# KiCad board MissionOrderFile.kicad_pcb (continued)
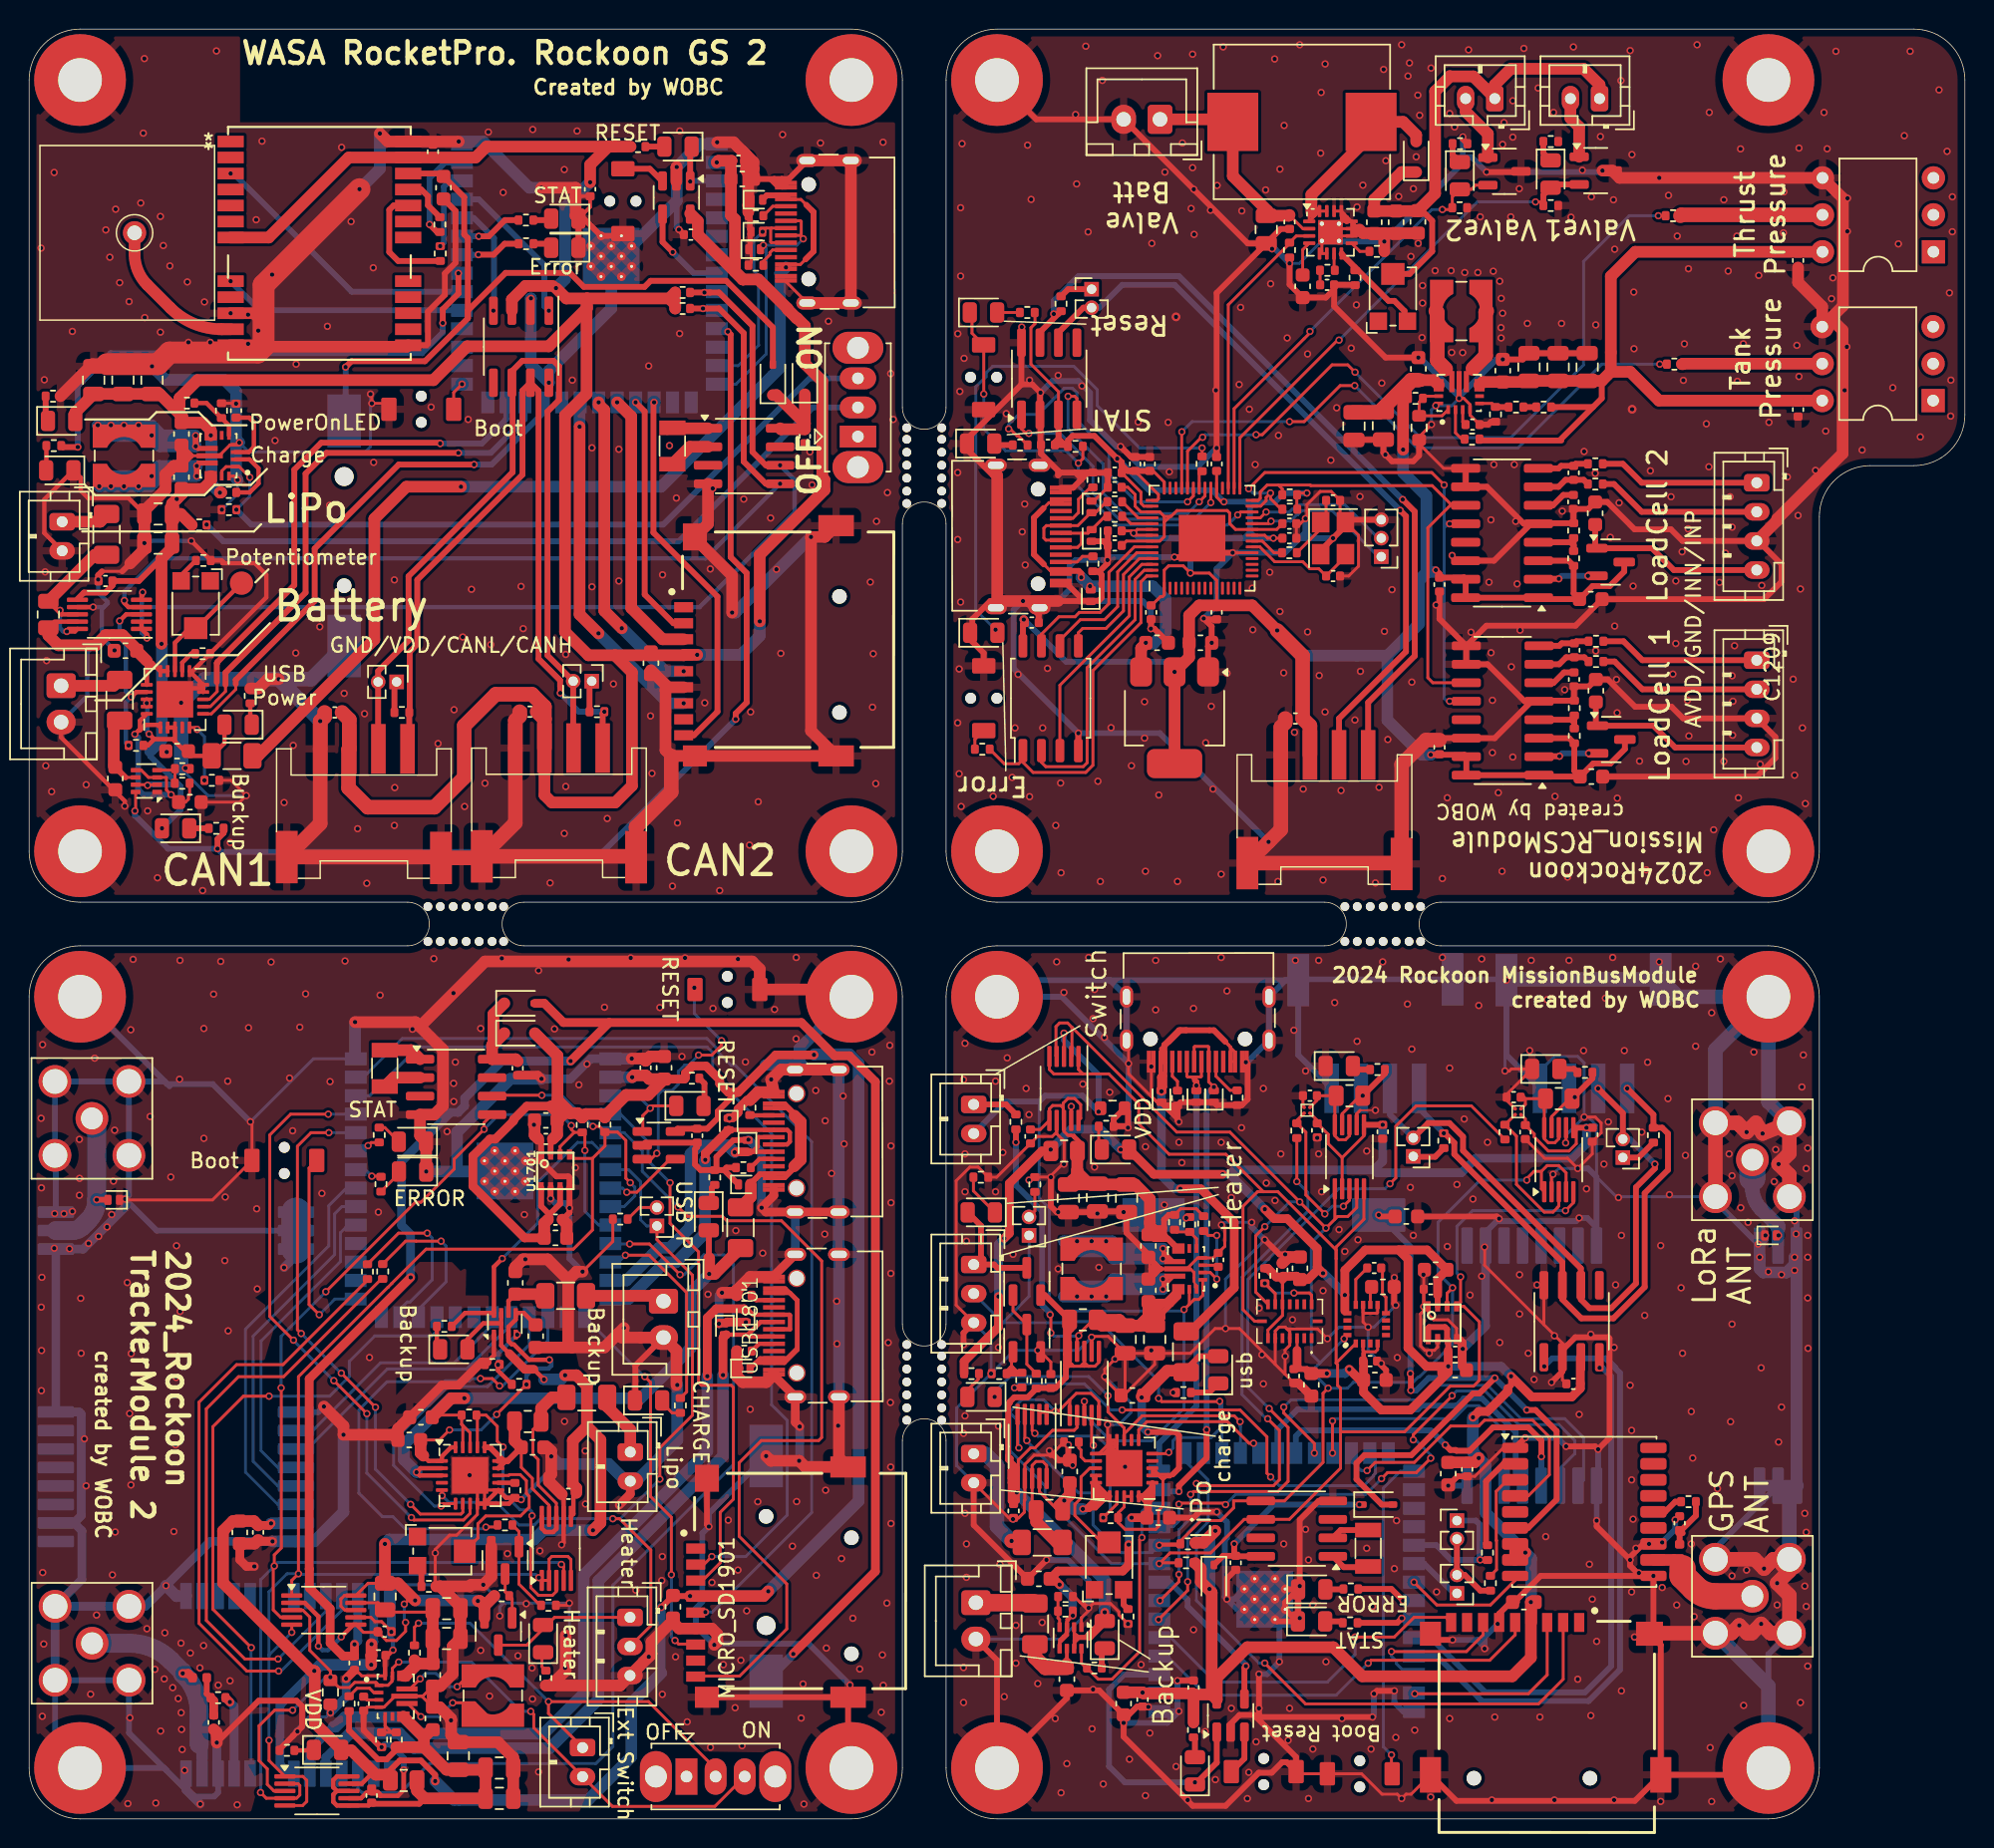
[diagram p0: board, top side]
## Routing (per net, layer and track width the routed paths; a pad name or vN(x,y) marks a point on that pad's centre or on a via; arc(x,y) is an arc through that point) (continued)
/RCS/IF/CANH: length 54.5
  Top w0.4: U901.7 69.45,102.17 70.89,103.62 R1001.2 70.71,103.42 v1(70.4,103.42) ; v1(94.37,90.67) 95.2,89.84 95.2,79.92 92,76.72 J1002.1
  Bottom w0.4: v1(94.37,90.67) 94.35,90.67 79,106.03 72.1,106.03 70.4,104.33 v1(70.4,103.42)
/RCS/IF/CANL: length 50.8
  Top w0.4: J1002.2 90,75.62 94.6,80.22 94.6,89.53 v1(94.2,89.92) ; U901.6 70.72,102.15 72.43,103.85 J1001.2
  Bottom w0.4: v1(94.2,89.92) 78.7,105.42 75.1,105.42 73.53,103.85 J1001.2
/RCS/RCS/RCS_EN: length 20.2
  Top w0.2: U903.31 82.39,104.06 86.6,108.27 R1101.1 87.06,108.78 U1101.3
/RCS/RCS/valve1: length 29.8
  Top w0.2: U903.30 82.79,96.91 88,102.12 v1(88,102.22) ; 100.22,112.28 99.38,112.28 99.09,111.99 D1102.2 97.78,111.47 R1106.1 97.66,110.6 v1(97.1,110.6)
  Bottom w0.2: v1(97.1,110.6) 96.38,110.6 v1(88,102.22)
/RCS/RCS/valve2: length 34.6
  Top w0.2: v1(90,101.62) 89.9,101.62 83.19,94.91 U903.29 ; v1(103.5,111.12) 103.79,111.12 R1108.1
  Top w0.4: R1108.1 104.04,111.6 D1103.2 104.76,112.33 Q1102.2
  Bottom w0.2: v1(103.5,111.12) 99.5,111.12 v1(90,101.62)
/RCS/RP2040/CAN_RX: length 18
  Top w0.2: v1(71.38,97.77) 71.84,97.77 71.99,97.62 U901.4 ; U903.35 80.79,90.91 v1(80.39,90.52)
  Bottom w0.2: v1(80.39,90.52) 79.59,89.72 75.19,89.72 73.79,91.12 73.79,93.12 71.38,95.52 v1(71.38,97.77)
/RCS/RP2040/CAN_TX: length 19.1
  Top w0.2: v1(68.69,95.22) 68.49,95.22 68.18,95.53 68.18,96.53 68.19,96.54 ; v1(81.19,90.46) U903.34
  Bottom w0.2: v1(68.69,95.22) 70.83,95.22 73.09,92.95 73.09,91.12 74.89,89.31 80.04,89.31 v1(81.19,90.46)
/RCS/RP2040/GPIO26_ADC0: length 50.6
  Top w0.2: v1(84.3,95.12) 84.72,95.12 89.52,99.92 90.6,99.92 v1(91.1,99.42) ; v1(80.62,94.95) 80.55,94.95 79.59,93.99 U903.38 ; v1(111.94,110.17) R1207.2
  Bottom w0.2: 80.78,95.1 v1(80.62,94.95) 80.8,95.12 v1(84.3,95.12) ; v1(91.1,99.42) 95.6,94.92 101.8,94.92 106.8,99.92 106.8,107.04 109.94,110.17 v1(111.94,110.17)
/RCS/RP2040/GPIO27_ADC1: length 42.7
  Top w0.2: v1(86.6,96.03) 87.6,96.03 90.08,98.5 v1(91.08,98.5) ; U903.39 79.19,95.31 v1(79.2,95.33) ; v1(112.04,99.97) R1208.2
  Bottom w0.2: v1(86.6,96.03) 79.9,96.03 v1(79.2,95.33) ; v1(112.04,99.97) 108.05,99.97 102.3,94.22 95.35,94.22 v1(91.08,98.5)
/RCS/RP2040/USB_D+: length 5.9
  Top w0.2: 72.3,88.36 70.91,88.36 USB901.A6 ; 72.3,88.36 72.3,87.64 72.03,87.38 USB901.B6 ; 72.3,88.36 72.75,88.36 D903.2 73.92,89.52 R906.1
/RCS/RP2040/USB_D-: length 7
  Top w0.2: 72.99,89.81 72.06,88.88 USB901.B7 69.89,88.88 69.72,88.7 69.72,88.03 69.86,87.88 USB901.A7 ; 73.02,89.81 73.31,89.81 74.01,90.52 R907.1
/RCS/SCL: length 33
  Top w0.2: 85.84,91.66 86.1,91.41 R911.2 ; 85.84,91.66 88.02,91.66 88.06,91.62 96.4,91.62 97.75,90.28 U1401.11 97.65,90.28 96.1,88.72 96.1,78.42 96.44,78.08 U1301.11 ; 85.84,91.66 85.06,91.66 84.59,91.19 84.59,90.76 84.45,90.62 U903.28
/RCS/SDA: length 35.6
  Top w0.2: v1(97.22,91.67) 96.37,92.53 84.9,92.53 v1(83.79,91.41) ; U903.27 84.61,90.22 84.99,90.59 84.99,90.81 v1(85.29,91.12) 85.29,90.73 86.02,90 R909.2
  Bottom w0.2: 97.22,89 v1(97.6,89) ; 97.22,89 97.22,89.22 ; 97.22,89 97.22,88.72 ; v1(97.6,89) 97.44,89 97.22,89.22 ; v1(97.6,89) 97.5,89 97.22,88.72 ; 97.22,89.22 v1(97.22,91.67) ; v1(85.29,91.12) 84.09,91.12 v1(83.79,91.41) ; 97.22,88.72 97.22,77 97.42,76.81 v1(97.6,76.81)
/Tracker/ESP32/CAN_RX: length 36.7
  Top w0.2: v1(26.21,21.62) 26.88,20.95 29.67,20.95 29.8,21.07 U1601.7 ; v1(21.45,30.63) v1(23.8,28.29) ; v1(20.59,47.16) 19.37,47.16 18.44,46.23 18.44,33.62 v1(18.69,33.36)
  Bottom w0.2: v1(26.21,21.62) 23.8,24.03 v1(23.8,28.29) ; v1(20.59,47.16) U2102.36 ; v1(21.45,30.63) 21.42,30.63 18.7,33.36 v1(18.69,33.36)
/Tracker/ESP32/CAN_TX: length 41.8
  Top w0.2: v1(20.55,48.43) 17.97,48.43 16.53,47 16.53,34.53 v1(18.16,32.9) ; U1601.8 30.3,20.99 29.84,20.54 26.44,20.54 v1(26.27,20.71) ; v1(20.94,30.12) v1(23.2,27.85)
  Bottom w0.2: v1(20.55,48.43) U2102.37 ; v1(23.2,27.85) 23.2,23.76 26.26,20.71 v1(26.27,20.71) ; v1(20.94,30.12) 20.93,30.12 18.16,32.88 v1(18.16,32.9)
/Tracker/ESP32/GPIO1/ADC1_CH0: length 72.1
  Top w0.2: v1(46.47,14.21) 45.41,14.21
  Bottom w0.2: U2102.39 22.97,50.97 25.63,53.63 46.57,53.63 47.37,52.83 47.37,52.66 48.25,51.78 48.53,51.78 53.77,46.54 53.77,21.04 46.94,14.21 v1(46.47,14.21)
/Tracker/ESP32/GPIO2/ADC1_CH1: length 68
  Top w0.2: v1(46.91,18.03) 46.39,17.51 45.41,17.51
  Bottom w0.2: v1(46.91,18.03) 49.23,18.03 52.08,20.88 52.08,27.39 51.02,28.45 51.02,47.09 46.97,51.14 46.97,52.66 46.58,53.05 26.74,53.05 23.39,49.7 U2102.38
/Tracker/ESP32/GPIO3/ADC1_CH2: length 25.9
  Top w0.2: v1(44.38,12.26) 44.62,12.01 45.41,12.01 ; v1(44.12,16.78) 44.12,20.73 42.69,22.16 42.69,30 v1(42.3,30.39)
  Bottom w0.2: v1(42.3,30.39) 42.26,30.39 U2102.15 ; v1(44.12,16.78) 44.12,12.51 v1(44.38,12.26)
/Tracker/ESP32/GPIO4/ADC1_CH3: length 38.9
  Top w0.2: 45.41,16.41 46.3,16.41 47.48,17.6 47.48,21.07 48.39,21.97 48.39,29.65 48.23,29.8 46.19,29.8 46,29.99 46,38.97 44.03,40.93 v1(44.03,43.72)
  Bottom w0.2: v1(44.03,43.72) 42.53,45.23 42.53,46.53 40.62,48.43 U2102.4
/Tracker/ESP32/GPIO5/ADC1_CH4: length 58.3
  Top w0.2: v1(44.58,42.05) 45.22,41.41 47.64,41.41 47.94,41.11 51.69,41.11 54.45,38.34 54.45,26.21 54.25,26 50.31,26 48.78,24.48 48.78,19.42 52.06,16.15 52.06,13.06 48.81,9.81 45.41,9.81
  Bottom w0.2: U2102.5 40.89,47.16 42.12,45.92 42.12,44.51 v1(44.58,42.05)
/Tracker/ESP32/GPIO6/ADC1_CH5: length 20
  Top w0.3: 31.94,34.64 31.94,37.94 v1(32.51,38.51) ; U1602.8 29.95,34.77 R1609.2
  Bottom w0.2: U2102.6 39.28,45.89 38.68,46.49 37.68,46.49 34.94,43.75 34.94,40.94 v1(32.51,38.51)
/Tracker/ESP32/GPIO7/ADC1_CH6: length 53.9
  Top w0.2: v1(40.11,20.63) 40.57,20.63 42.72,18.48 42.72,13.28 J1602.2 ; U1601.5 28.36,22.23 v1(28.38,22.21) ; v1(43.33,23.35) 43.33,25.5 45.58,27.74 45.58,37.37 43.14,39.81 J1604.1
  Bottom w0.2: U2102.7 41.19,44.62 42.02,43.79 42.02,41.17 42.44,40.75 J1604.1 ; v1(43.33,23.35) 40.61,20.63 v1(40.11,20.63) 40.1,20.63 35.15,20.63 34.72,20.2 33.66,20.2 32.1,21.76 28.83,21.76 v1(28.38,22.21)
/Tracker/ESP32/GPIO8/ADC1_CH7: length 13.9
  Top w0.2: R1602.2 45.17,29.35 45.17,36.17 42.61,38.74 v1(40.97,38.74)
  Bottom w0.2: U2102.12 40.5,38.27 v1(40.97,38.74)
/Tracker/ESP32/GPIO9/ADC1_CH8: length 33.4
  Top w0.2: v1(32.32,29.76) 31.82,30.26 v1(31.01,30.26) ; R1608.2 32.05,20.06 31.4,20.06 v1(31.38,20.05)
  Bottom w0.2: v1(31.01,30.26) 30.4,30.26 30.25,30.11 28.59,30.11 28.52,30.04 24.59,30.04 22.66,28.11 22.66,22.39 24.27,20.77 24.99,20.77 25.84,19.93 31.27,19.93 v1(31.38,20.05) ; v1(32.32,29.76) 32.54,29.76 35.64,32.85 35.64,34.48
/Tracker/ESP32/GPIO10/ADC1_CH9: length 21.1
  Top w0.2: U1601.6 28.47,21.66 v1(28.31,21.5)
  Bottom w0.2: v1(28.31,21.5) 27.84,21.5 25.05,24.3 25.05,26 28.76,29.71 31.49,29.71 34.36,32.58 U2102.18
/Tracker/ESP32/GPIO11: length 18.8
  Bottom w0.2: U2102.19 33.09,33.95 30.06,30.92 24.62,30.92 19.12,25.42 U2001.6
/Tracker/ESP32/GPIO12: length 17
  Bottom w0.2: U2001.5 19.49,26.69 24.16,31.35 29.23,31.35 31.83,33.95 U2102.20
/Tracker/ESP32/GPIO18: length 66.7
  Top w0.2: v1(41.27,39.51) 42.61,39.51 v1(44.72,37.4)
  Bottom w0.2: v1(41.27,39.51) 39.97,39.51 U2102.11 ; v1(44.72,37.4) 44.99,37.4 46.36,38.76 47.75,38.76 48.39,38.12 48.39,24.35 40.11,16.06 40.11,4.97 38.94,3.8 27.5,3.8 25.52,1.82 22.85,1.82 22.59,2.09 U1801.3
/Tracker/ESP32/GPIO21: length 43.9
  Top w0.2: v1(16.48,29.05) 14.73,29.05 12.62,26.95 12.62,14.41 v1(15.27,11.77)
  Bottom w0.2: 15.26,3.86 15.26,11.76 v1(15.27,11.77) ; U2102.23 28.02,33.53 27.67,33.19 23.74,33.19 22,31.45 22,30.41 20.65,29.05 v1(16.48,29.05)
/Tracker/ESP32/GPIO38: length 21.4
  Bottom w0.2: U2001.7 17.09,24.15 15.94,25.3 15.94,32.85 21.39,38.31 21.39,40.29 21.91,40.81 U2102.31
/Tracker/ESP32/GPIO39: length 24.6
  Bottom w0.2: U2001.8 17.09,22.88 15.4,24.57 15.4,33.19 20.99,38.78 20.99,41.58 21.49,42.08 U2102.32
/Tracker/ESP32/GPIO40: length 27.4
  Bottom w0.2: U2001.9 17.09,21.61 14.87,23.83 14.87,33.65 20.59,39.38 20.59,42.14 21.8,43.35 U2102.33
/Tracker/ESP32/GPIO47: length 10.8
  Top w0.2: v1(28.3,39.7) 26.59,39.7 26.59,39.71 25.88,39.71 R1805.1
  Bottom w0.2: v1(28.3,39.7) 28.65,39.36 28.65,36.91 26.74,35.01 U2102.24
/Tracker/ESP32/GPIO48: length 11.9
  Top w0.2: R1804.1 25.38,40.25 v1(27.35,40.25)
  Bottom w0.2: 25.48,34.48 25.48,35.01 25.99,35.53 26.17,35.53 27.7,37.05 27.7,39.92 v1(27.35,40.25)
/Tracker/ESP32/I2C_SCL: length 110
  Top w0.2: R2105.2 39.56,46.25 38.7,45.39 ; R2105.2 40.42,47.2 41,46.62 41,44.03 v1(41.3,43.72) ; R2105.2 39.17,47.59 v1(38.74,47.59) ; 38.7,45.39 37.39,45.39 U1701.4 ; 38.7,45.39 38.7,40.47 37.39,39.16 27.27,39.16 24.91,36.8 24.91,36.79 24.66,36.54 24.66,36.54 18.51,30.39 v1(18.51,16.85) 18.05,16.39 U1603.1 ; U1604.5 37.22,17.83 37.02,18.04 35.92,18.04 35.72,17.85 U1604.2 U1604.1 35.03,16.58 v1(35.02,16.58) ; U1901.6 31.87,49.73 v1(35.22,49.73) ; v1(18.05,12.82) U1603.5 ; 17.58,0.92 18.8,0.92 19.08,1.2 19.08,2.65 18.8,2.92 17.58,2.92 16.48,4.01 v1(16.48,5.4)
  Bottom w0.2: v1(18.05,12.82) 16.48,11.26 16.48,11.26 ; v1(35.22,49.73) 36.6,49.73 v1(38.74,47.59) ; 16.48,11.26 16.48,15.6 17.72,16.85 v1(18.51,16.85) 18.55,16.8 34.8,16.8 v1(35.02,16.58) ; 16.48,11.26 16.48,11.25 v1(16.48,5.4) ; v1(41.3,43.72) 41.61,43.41 41.61,42.81 40.89,42.08 U2102.9
/Tracker/ESP32/I2C_SDA: length 101.1
  Top w0.2: v1(15.9,1.81) 16.3,1.42 18.38,1.42 18.6,1.65 18.6,2.29 18.48,2.42 17.58,2.42 ; 37.45,47.18 36.48,46.2 U1701.3 ; 37.45,47.18 R2107.2 38.19,47 v1(38.19,45.94) ; 37.45,47.18 37.25,47.38 v1(37.25,47.65) ; v1(36.57,17.49) 36.72,17.33 U1604.4 ; 20.42,36.23 v1(20.38,36.23) 26.53,42.38 26.92,42.38 29.2,44.66 29.2,45.34 v1(31.26,47.39) 31.26,47.85 U1901.5 ; U1603.4 17.29,13.85 16.77,14.36 16.77,17.31 v1(16.84,17.38) 16.84,18.14 17.33,18.62 17.33,29.61 v1(17.31,29.62) 17.33,29.62
  Bottom w0.2: v1(37.25,47.65) 36.5,48.4 32.27,48.4 v1(31.26,47.39) ; v1(17.31,29.62) 17.31,33.16 v1(20.38,36.23) ; v1(36.57,17.49) 36.44,17.62 17.09,17.62 v1(16.84,17.38) 15.91,16.44 15.91,1.82 v1(15.9,1.81) ; v1(38.19,45.94) 38.19,41.76 39.14,40.81 U2102.10
/Tracker/ESP32/USB_D+: length 22.2
  Top w0.2: 48.06,47.34 48.06,47.34
  Top w0.3: 48.06,47.34 48.08,47.35 USB2101.B6 52.08,47.35 52.27,47.17 52.27,46.54 52.08,46.35 USB2101.A6
  Top w0.6: 48.06,47.34 46.45,45.74 v1(46.45,45.29)
  Bottom w0.8: v1(46.45,45.29) 46.44,45.27 46.44,40.25 44.43,38.25 43.69,38.25 41.18,35.73 U2102.14
/Tracker/ESP32/USB_D-: length 20.8
  Top w0.2: v1(48.47,45.81) 48.49,45.84
  Top w0.3: USB2101.B7 49.37,45.85 D2103.2 49.7,45.84 50.06,46.19 50.06,46.79 50.11,46.85 USB2101.A7
  Top w0.6: 48.51,45.78 48.56,45.84 D2103.2
  Bottom w0.8: v1(48.47,45.81) 47.99,46.29 46.04,46.29 45.44,45.68 45.44,40.66 44.02,39.25 43.28,39.25 41.03,37 U2102.13
/Tracker/ESP32/VUSB: length 14.7
  Top w0.3: 52.56,44.85 52.06,44.35 USB2101.B9 ; 52.74,44.85 51.94,44.05 USB2101.A4 ; 52.59,48.33 52.06,48.85 USB2101.B4 ; USB2101.A9 51.94,49.15 52.77,48.33
  Top w0.4: D2101.2 49.53,43.62 50.22,44.3 51.17,44.3
  Top w0.8: 52.56,44.85 53.02,45.3 53.02,47.9 52.59,48.33 ; F1601.1 49.58,42.74 49.58,43.6
/Tracker/ESP32/WDI: length 5.4
  Top w0.2: 44.31,45.32 44,45.32 41.75,43.07 v1(41.06,43.07)
  Bottom w0.2: U2102.8 40.78,43.35 v1(41.06,43.07)
/Tracker/GPSActive/USB_D+: length 60.5
  Top w0.3: USB1801.A6 52.28,33.65 52.28,34.6 52.23,34.65 USB1801.B6 49.75,34.65 49.45,34.95 D1802.2
  Top w0.6: v1(46.59,30.42) 46.59,34.44 47.22,35.06 49.11,35.06 D1802.2
  Bottom w0.6: 19.28,3.11 19.28,4.74 20.89,6.34 20.94,6.34
  Bottom w0.8: v1(46.59,30.42) 46.59,25.26 38.11,16.78 38.11,8.61 35.36,5.86 26.88,5.86 25.74,7 21.72,7 21.06,6.34 20.94,6.34
/Tracker/GPSActive/USB_D-: length 56.6
  Top w0.3: 49.38,33.28 47.89,33.28 ; 49.38,33.28 50.25,34.15 USB1801.A7 ; 49.38,33.28 49.51,33.15 USB1801.B7
  Top w0.6: v1(47.67,30.5) 47.67,33.07 47.89,33.28
  Bottom w0.6: 21.51,5.34 20.38,4.22 20.38,3.11
  Bottom w0.8: 21.51,5.34 22.06,5.9 25.43,5.9 26.47,4.86 35.78,4.86 39.11,8.2 39.11,16.37 47.67,24.93 v1(47.67,30.5)
/Tracker/Lipo/PROG: length 10.3
  Top w0.2: U1601.13 32.95,23.6 33.01,23.66 33.74,23.66 34.17,23.24 34.17,22.37 34.36,22.18 34.36,21.41 33.76,20.82 31.38,20.82 30.84,20.28 30.84,19.3 RV1601.2
GPS_Backup: length 235.7
  Top w0.35: v1(52.5,11.34) 52.5,11.37
  Top w0.4: 30.15,103.12 30.15,103.65 32.74,106.25 37.15,106.25 38.11,105.29 42.29,105.29 42.7,105.7 47.9,105.7 51.1,102.5 D701.2 ; 30.15,103.12 27.2,100.17 22.15,100.17 v1(21.74,99.78) ; 30.15,103.12 30.15,108.64 29.9,108.89 29.9,111.45 C101.2 28.27,113.08 26.05,113.08 ; v1(94.9,30.6) 94.93,30.57 v1(94.93,29.45) ; U2601.6 103,20 104.95,21.95 104.95,26.65 103.5,28.1 v1(102.9,28.1) ; D2501.2 92.94,21.6 91.2,23.34 91.2,24.45 91.75,25 94.97,25 99.21,29.24 99.64,29.24 v1(100.7,30.3) ; C2201.2 92.83,41.4 v1(92.72,41.5)
  Top w0.6: v1(26.22,37.21) 19.24,30.24 19.24,17.17 19.26,17.16 19.26,15.88 20.69,14.45 20.69,12.08 21.58,11.19 C1803.2 v1(22.35,12) ; 39.86,54.73 36.72,54.73 35.4,56.05 D1901.2 ; 39.86,54.73 v1(37.2,52.08) ; 39.86,54.73 53.06,54.73 55.34,52.44 56.36,52.44 58.14,50.66 58.14,17.01 52.5,11.37
  Bottom w0.4: v1(94.9,30.6) 94.9,39.33 v1(92.72,41.5) ; v1(21.74,99.78) 21.74,96.17 BT101.1 ; v1(94.93,29.45) 95.31,29.45 96.16,30.3 v1(100.7,30.3) v1(102.9,28.1)
  Bottom w0.6: v1(22.35,12) 22.59,12.23 U1801.22 ; v1(26.22,37.21) 26.22,40.16 25.59,40.79 25.59,45.19 28.95,48.55 29.49,48.55 29.92,48.99 29.92,49.53 32.48,52.08 v1(37.2,52.08) ; v1(52.5,11.34) BT1501.1
GPSANT1: length 25.6
  Top w0.6: v1(10.55,10) 10.94,10 L1801.1
  Top w0.8: U301.11 13.24,102.38 arc(11.33,102.76) 9.71,103.84 8.12,105.42 arc(7.47,106.39) 7.24,107.54 AE301.1
  Bottom w0.6: 11.88,3.11 11.88,4.17
  Bottom w0.8: 11.88,4.17 11.88,4.95 11.69,5.15
  Bottom w1.3: 11.69,5.15 11.69,6.38 11.68,6.39 11.68,7.47 arc(11.45,8.61) 10.89,9.63 10.55,9.97 v1(10.55,10) 10.55,10.05 10.52,10.09 arc(10.51,10.11) 10.5,10.12 9.73,10.9 arc(8.43,11.77) 6.9,12.07 J1801.1
RCS_VIN: length 15.8
  Top w0.2: C1104.1 86.6,110.21 87.52,109.28 U1101.2
  Top w0.8: C1104.1 86.55,110.17 85.1,110.17 85.1,110.5 82.7,112.9 L1101.1 82.53,116.8 J801.1
RESET: length 63.2
  Top w0.2: U903.26 83.24,89.81 v1(83.04,89.62) ; D2104.1 42.83,49 v1(42.67,48.84) 42.17,48.33 42.17,47.24 ; v1(72.09,93.17) 72.4,93.48 72.4,94.41 72.35,94.41 ; v1(65.59,97.92) 65.59,101.29 64.78,102.1 64.78,103.5 64.8,103.52
  Top w0.4: v1(45.42,112.53) 45.42,114.83 D204.1 45.37,114.92 ; 42.12,47.3 42.11,47.29 ; 81.6,6 81.6,3.87 80.25,2.51 v1(80.1,2.51)
  Bottom w0.2: v1(65.59,97.92) 65.59,95.52 67.08,94.03 71.24,94.03 v1(72.09,93.17) 72.09,91.55 74.72,88.92 82.34,88.92 v1(83.04,89.62) ; v1(42.67,48.84) 41.81,49.7 U2102.3
  Bottom w0.4: U2303.3 75.22,9.92 74.2,8.9 74.2,3.6 75.29,2.51 v1(80.1,2.51) ; U203.3 45.47,112.57 v1(45.42,112.53)
VPP: length 142.9
  Top w0.2: 72.5,31.11 72.23,31.11 ; 72.5,31.11 72.5,31.38 ; 72.5,31.11 72.9,31.11 ; 72.23,31.11 72.5,31.38 ; 72.23,31.11 71.77,31.11 ; 69.2,29.41 R2811.1 ; 72.9,31.11 72.77,31.11 72.5,31.38 ; 72.9,31.11 73.23,31.11 73.5,31.38 U2803.6 ; 72.5,31.38 U2803.8 ; 71.8,12.6 72,12.6 72.05,12.54 ; 71.8,12.6 U2802.7 ; 71.8,12.6 U2802.2 71.8,12.8 72.05,12.54 ; v1(25.77,14.76) 26.02,15.01 v1(26.52,15.01) ; 72.05,12.54 72.84,12.54 72.7,12.4 72.12,12.4 71.85,12.13 71.85,11.75 U2802.7 ; 72.05,12.54 71.8,12.29 U2802.7 ; 71.64,31.24 71.5,31.38 U2803.10 71.5,33.4 71.7,33.6 71.7,34.09 R2813.1 71.49,31.39 71.77,31.11 ; 71.64,31.24 71.6,31.2 71.23,31.2 ; 71.64,31.24 71.77,31.11 ; 71.77,31.11 71.44,31.11 71.23,30.9 ; R1613.1 23.29,16.19 U1603.10 21.66,15.35 21.42,15.12 21.42,14.62 21.69,14.35 U1603.8 ; 23.81,12.82 22.98,12.82 U1603.6 ; v1(25.87,13.5) 25.87,12.89 25.23,12.26 24.55,12.26 C1604.1 ; U2803.2 72,26.9 71.8,26.7 70.32,26.7 69.12,25.5 68.8,25.5 67.96,24.66 67.96,23.59 67.91,23.54 67.64,23.81 67.64,23.89
  Top w0.3: U1603.2 18.94,14.85 19.88,13.91 v1(19.88,11.88) ; v1(35.38,30.2) 34.67,30.9 ; LED1603.2 30.12,32.97 31.21,34.06 32.44,34.06 ; 32.44,34.06 U1602.7 ; 32.44,34.06 U1602.2 32.44,32.53 32.99,31.98 ; U1603.6 22.28,13.35 v1(21.45,12.51) ; 37.53,22.28 37.39,22.14 37.39,20.96 U1604.6
  Top w0.4: 67.44,23.4 67.44,23.96 ; 67.44,23.4 67.44,23.1 ; 67.44,23.4 67.44,24.77 67.26,24.94 ; 67.44,23.96 67.86,23.96 67.86,24.11 ; 67.44,23.96 67.44,23.1 ; 67.5,22 67.86,22.36 v1(67.86,22.44) ; 71.23,31.92 71.23,30.33 70.51,29.61 C2804.1 69.23,29.61 R2811.1 69.2,29.56 68.61,28.97 67.69,28.97 67.36,28.65 67.36,28.56 67.26,28.46 67.26,24.94 ; 71.23,31.92 71.45,32.14 ; 71.23,31.92 71.23,34.05 R2813.1 69.79,36 Q2802.2 ; 67.44,23.1 67.47,23.1 67.64,23.26 ; 67.44,23.1 67.44,21.84 C2809.1 67.86,21.87 v1(67.86,22.44) ; 67.26,24.94 67.26,24.71 67.86,24.11 ; 67.26,24.94 67.26,24.67 67.64,24.3 67.64,23.89 ; 67.64,23.26 67.64,22.66 v1(67.86,22.44) ; 67.64,23.26 67.64,23.89 ; 67.86,24.11 67.64,23.89 ; v1(67.86,22.44) 67.86,23.54
  Top w0.6: 23.98,12.83 C1604.1 ; 32.99,31.98 34.07,30.9 34.67,30.9 ; 72.84,12.54 72.84,12.56 73.9,13.62 v1(73.9,14.2)
  Top w0.8: v1(36.83,30.49) 37.6,30.49 38.33,29.77 38.33,26.97 ; v1(26.52,15.01) 25.34,16.19 R1613.1 24.45,16.21 v1(24.45,18.9) ; 38.33,26.97 37.36,26 37.36,22.97 37.6,22.72 37.6,22.41 ; 38.33,26.97 39.25,26.04 39.25,20.35 v1(38.74,19.83) ; Q1602.2 31.29,14.65 ; 31.29,14.65 R1611.1 ; 31.29,14.65 30.97,14.97 v1(30.83,14.97)
  Bottom w0.2: v1(25.77,14.76) 25.77,13.59 v1(25.87,13.5)
  Bottom w0.3: v1(19.88,11.88) 20.16,11.6 20.53,11.6 v1(21.45,12.51)
  Bottom w0.8: v1(38.74,19.83) 38.73,19.84 35.34,19.84 34.7,19.2 24.74,19.2 v1(24.45,18.9) ; v1(67.86,22.44) 73.9,16.4 v1(73.9,14.2) ; v1(30.83,14.97) 30.8,15.01 v1(26.52,15.01) ; v1(36.83,30.49) 36.53,30.2 v1(35.38,30.2)
Net-(C904-Pad2): length 4.4
  Top w0.2: R908.1 88.74,88.66 Y901.1 89.11,89.48 C904.2
Net-(C1103-Pad1): length 1
  Top w0.2: C1103.1 88.7,106.41 R1103.2
Net-(C1801-Pad1): length 2.8
  Top w0.4: R1803.2 12.2,8.6 L1801.2
  Top w0.6: C1801.1 12.69,8.12 R1803.2
Net-(C2601-Pad1): length 3.8
  Top w0.4: L2601.1 C2601.1 113.52,19.84 114.52,20.84 R2603.2 ; 113.61,19.64 113.3,19.64
Net-(D204-A): length 1.3
  Top w0.4: D204.2 R203.2
Net-(D205-A): length 1.3
  Top w0.4: D205.2 35.59,108.25 R204.2
Net-(D206-A): length 1.3
  Top w0.4: D206.2 35.77,109.88 34.64,109.88
Net-(D701-K): length 7.1
  Top w0.8: 53.3,95.9 C702.2 51.66,95.5 U701.8 ; 53.3,95.9 D702.1 ; 53.3,95.9 51.35,97.85 D701.1
Net-(D901-A): length 1.7
  Top w0.2: 66.38,103.52 66.39,103.53 68.08,103.53 68.09,103.52
Net-(D905-A): length 1.3
  Top w0.4: D905.2 66.41,94.41 R910.2
Net-(D906-A): length 37.3
  Top w0.2: v1(66.4,81.72) 66.38,81.7 66.38,81.52 ; v1(80.59,94.22) R912.2
  Bottom w0.2: v1(80.59,94.22) 76.3,94.22 73.39,97.12 73.39,98.22 71.78,99.83 66.2,99.83 65.75,99.38 65.75,99.12 65.04,98.41 65.04,83.08 v1(66.4,81.72)
Net-(D1101-A): length 15.8
  Top w0.2: U1101.15 U1101.16 ; U1101.16 88.35,110.18 ; U1101.16 88.17,110.49 88.1,110.42 ; U1101.16 88.1,111.05 88.1,111.12 ; 88.35,110.18 U1101.1 87.95,110.28 88.1,110.42 ; 88.35,110.18 88.1,110.42
  Top w0.8: 88.1,110.42 88.1,111.62 92.2,115.72 L1101.2 94.4,116.62 95.3,115.72 D1101.2
Net-(D1101-K): length 38
  Top w0.4: C1107.1 95.7,110.53 96.4,109.83 96.4,107.72 94.85,106.17 RV1101.2
  Top w0.8: D1101.1 94.3,113.17 92.42,111.3 C1105.1 95.39,110.5 C1107.1 96.6,111.7 96.6,118.72 97.62,119.75 ; 97.62,119.75 99.22,119.75 100.7,118.28 100.7,119.17 101.8,120.28 106.8,120.28 107.9,119.17 J1102.1 ; 97.62,119.75 97.6,119.78
Net-(D1102-K): length 1.5
  Top w0.4: R1104.1 97.8,114.36 D1102.1
Net-(D1103-K): length 1.5
  Top w0.4: R1107.1 104.04,114.47 D1103.1
Net-(D1801-A2): length 18
  Top w0.3: USB1801.B4 52.28,36.15 52.78,35.65 52.78,32.36 52.08,31.65 USB1801.B9 50.22,31.65 D1801.2 49.92,31.35 USB1801.A4 51.89,31.35 52.78,32.23 52.78,35.63 51.96,36.45 USB1801.A9
Net-(D1901-K): length 7.2
  Top w0.8: D1901.1 31.9,55.3 31.9,53.25 31.81,53.16 ; C1902.2 33.42,52.21 U1901.8 31.81,53.16 ; 31.81,53.16 D1902.1
Net-(D2001-A2): length 10.7
  Top w0.4: v1(4.65,42.55) 5.44,42.55 5.48,42.59
  Bottom w1.3: 4.23,48.13 4.65,47.71 v1(4.65,42.55) 4.65,42.54 arc(4.49,41.78) 4.06,41.13 3.65,40.71 arc(3.33,40.5) 2.96,40.43 U2001.21
  Bottom w2: 4.23,48.13 4.28,48.07
Net-(D2104-A): length 2.2
  Top w0.4: 46.24,48.94 46.4,49.1 46.4,50.55 R2103.2
Net-(D2105-A): length 1.9
  Top w0.2: D2105.2 25.41,44.34 R2104.2
Net-(D2106-A): length 1.7
  Top w0.2: 25.38,46.56 24.44,47.51 R2106.2
Net-(D2304-A): length 1.4
  Top w0.4: R2303.2 80.1,5.5 D2304.2
Net-(D2305-A): length 1.2
  Top w0.4: R2304.2 90.28,15.78 D2305.2
Net-(D2306-A): length 1.2
  Top w0.4: D2306.2 90.15,13.57 R2306.2
Net-(D2501-K): length 14.3
  Top w0.4: v1(82.8,18.9) 82.8,18.18 C2502.2 ; C2502.2 82.03,18.08 D2502.1 ; C2502.2 82.94,18.04 U2501.8 ; D2501.1 v1(91.4,21.6)
  Bottom w0.4: v1(82.8,18.9) 85.5,21.6 v1(91.4,21.6)
Net-(D2901-A2): length 7.6
  Top w0.4: 120,40.1 v1(120.2,40.1)
  Bottom w0.8: 120.16,40.27 U2901.21 120.16,40.57
  Bottom w1: 120.16,40.57 120.16,40.74 118.99,41.91 arc(118.58,42.5) 118.4,43.2 118.4,44.03 118.4,44.03
  Bottom w1.8: 118.4,44.03 J2901.1
Net-(J401-Pin_1): length 2.2
  Top w0.4: R401.1 25.1,77.99 J401.1
Net-(J501-Pin_1): length 2.2
  Top w0.4: J501.1 38.5,78.04 R501.1
Net-(J601-Pin_1): length 4.2
  Top w0.8: F602.1 5.81,77.88 J601.1
Net-(J602-Pin_1): length 3.2
  Top w0.8: 5.32,89.58 4.88,89.15 J602.1
Net-(J901-Pin_1): length 10.3
  Top w0.2: U903.24 85.16,89.02 v1(85.33,89.18)
  Bottom w0.2: 92.69,86.75 89.52,89.91 87.46,89.91 87.16,89.62 87.09,89.62 86.66,89.18 v1(85.33,89.18)
Net-(J901-Pin_2): length 10
  Top w0.2: U903.25 84.59,89.41 v1(84.99,89.81)
  Bottom w0.2: 92.69,88.02 90.39,90.31 87.3,90.31 87,90.02 86.79,90.02 86.59,89.82 v1(84.99,89.82)
Net-(J1001-Pin_1): length 2.3
  Top w0.4: J1001.1 71.39,105.12 R1001.1
Net-(J1101-Pin_2): length 4.7
  Top w0.8: 100.22,114.17 100.22,115.8 98.7,117.33 J1101.2
Net-(J1102-Pin_2): length 4.2
  Top w0.8: Q1102.1 106.5,116.28 105.9,116.88 J1102.2
Net-(J1301-Pin_1): length 11.1
  Top w0.4: R1301.1 109.54,80.93 110.84,79.63 J1301.1
Net-(J1301-Pin_2): length 11.3
  Top w0.4: R1302.1 108.94,79.54 110.84,77.63 J1301.2
Net-(J1301-Pin_4): length 13.2
  Top w0.4: J1301.4 113.09,73.63 111.59,75.13 Q1301.1 107.65,75.25 C1301.1
Net-(J1401-Pin_1): length 11.1
  Top w0.4: R1401.1 109.5,93.12 110.8,91.83 J1401.1
Net-(J1401-Pin_2): length 11.4
  Top w0.4: J1401.2 110.8,89.83 108.89,91.73 R1402.1
Net-(J1401-Pin_4): length 13.3
  Top w0.4: C1401.1 107.6,87.44 Q1401.1 111.5,87.33 113,85.83 J1401.4
Net-(J1601-Pin_1): length 5.7
  Top w0.8: 38.42,35.81 38.28,35.95 43.25,35.95 43.59,35.6
Net-(J1602-Pin_1): length 9.8
  Top w0.2: Q1602.3 34.19,11.94 36.1,13.85 J1602.1
Net-(J1603-Pin_1): length 31.1
  Top w0.2: v1(26.76,13.45) 26.48,13.17 R1614.1 ; 47.21,2.72 47.21,3.41 42.56,8.06 v1(35.69,8.06) 35.69,7.25 38.03,4.9
  Bottom w0.2: v1(35.69,8.06) 30.3,13.45 v1(26.76,13.45)
Net-(J1603-Pin_2): length 54.6
  Top w0.2: 17.58,1.92 16.82,1.92 16.37,2.37 16.37,3.44 15.8,4 15.8,6.4 16.87,7.47 v1(18.1,7.47) ; v1(25.4,10.78) 24.96,10.34 U1605.14 24.94,9.81 24.94,9.46 24.66,9.18 U1605.1 23.84,9.38 22.37,9.38 22.02,9.03 21.28,9.03 20.97,9.35 ; 20.97,9.35 20.88,9.35 R1616.1 20.7,10.16 19.28,11.58 19.28,13.87 18.8,14.35 U1603.3 ; 20.97,9.35 20.97,9.47 v1(20.7,9.74) ; v1(34.47,7.39) 34.67,7.18 34.67,6.26 40.08,0.86 47.11,0.86 SW1601.3
  Bottom w0.2: v1(34.47,7.39) 33.79,7.39 30.4,10.78 v1(25.4,10.78) ; v1(20.7,9.74) 20.38,9.74 v1(18.1,7.47) ; 38.03,3.14 38.03,2.9
Net-(J1604-Pin_2): length 2.3
  Top w0.2: J1604.2 41.92,42.02 R1615.1
Net-(J1605-Pin_1): length 4.4
  Top w0.8: F1603.2 39.72,28.33 41.31,26.74 41.31,25.23
Net-(J2401-Pin_1): length 2.4
  Top w0.4: J2401.1 95.13,45.5 96.6,45.5 R2404.1
Net-(J2402-Pin_3): length 5.7
  Top w0.2: v1(91.62,49.7) 91.46,49.7 90.21,48.46 U2402.9
  Top w0.4: R2403.2 93.15,51.22 v1(91.62,49.7)
  Bottom w0.4: J2402.3 91.5,49.83 v1(91.62,49.7)
Net-(J2601-Pin_2): length 5.2
  Top w0.4: R2601.2 99.71,15.69 98.63,16.77 J2602.2 J2601.2
Net-(J2603-In): length 8.6
  Top w0.4: 113.3,17.23 113.3,17.7
  Top w0.8: 118.36,15.26 J2603.1 ; U2601.11 113.03,17.8 113.6,17.23
  Top w1.8: 113.6,17.23 113.6,16.7 114.41,15.89 arc(115.06,15.45) 115.83,15.3 J2603.1
Net-(J2701-Pin_1): length 2.5
  Top w0.4: J2701.1 110.57,45.45 R2704.1
Net-(J2702-Pin_3): length 6.1
  Top w0.2: U2702.9 104.6,48.26 105.84,49.5 R2702.2
  Top w0.4: R2703.2 107.41,50.9 R2702.2 106.11,49.6 v1(106.2,49.6)
  Bottom w0.4: v1(106.2,49.6) 105.8,50 J2702.3
Net-(J2801-Pin_1): length 4.1
  Top w0.8: 69.04,14.86 F2802.1
  Top w1.2: J2801.1 69.04,14.86
Net-(J2802-Pin_1): length 7.9
  Top w0.4: LED2804.2 65.4,40.76 65.4,38.6 J2802.1 66.3,38.1 66.53,37.88 Q2802.3
Net-(J2803-Pin_1): length 3.2
  Top w0.4: R2814.1 67.11,49.1 J2803.1
Net-(J2803-Pin_2): length 62.6
  Top w0.2: v1(72.5,28.69) U2803.3 ; v1(79.35,35) 79.71,35.36 ; 79.71,35.36 U2805.14 ; 79.71,35.36 80.05,35.7 80.36,35.7 80.64,35.98 U2805.1 ; v1(71.1,54) U2806.3
  Bottom w0.2: v1(72.5,28.69) 72.5,27.8 74.31,25.99 77.11,25.99 79.35,28.22 v1(79.35,35) 79.25,34.9 70.9,34.9 70.1,35.7 70.1,41.95 69.4,42.65 69.4,49.3
  Bottom w0.4: J2803.2 67.1,49.3 69.4,49.3 69.8,49.7 72.38,49.7 v1(73.48,48.6) 73.48,51.12 71.1,53.5 v1(71.1,54)
